# KiCad board DisplayAdapter.kicad_pcb
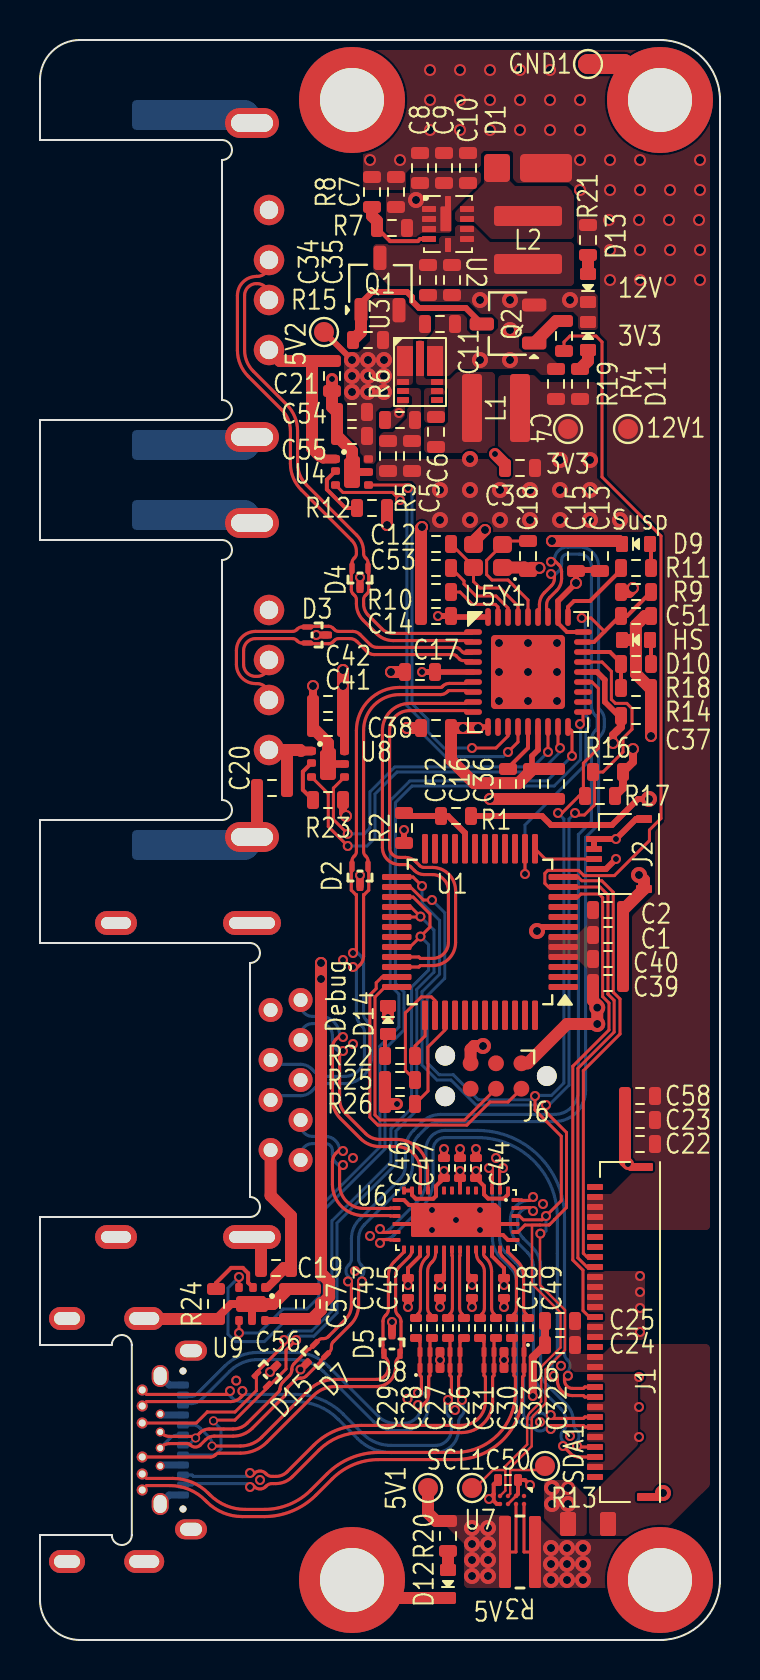
[diagram p0: board, top side]
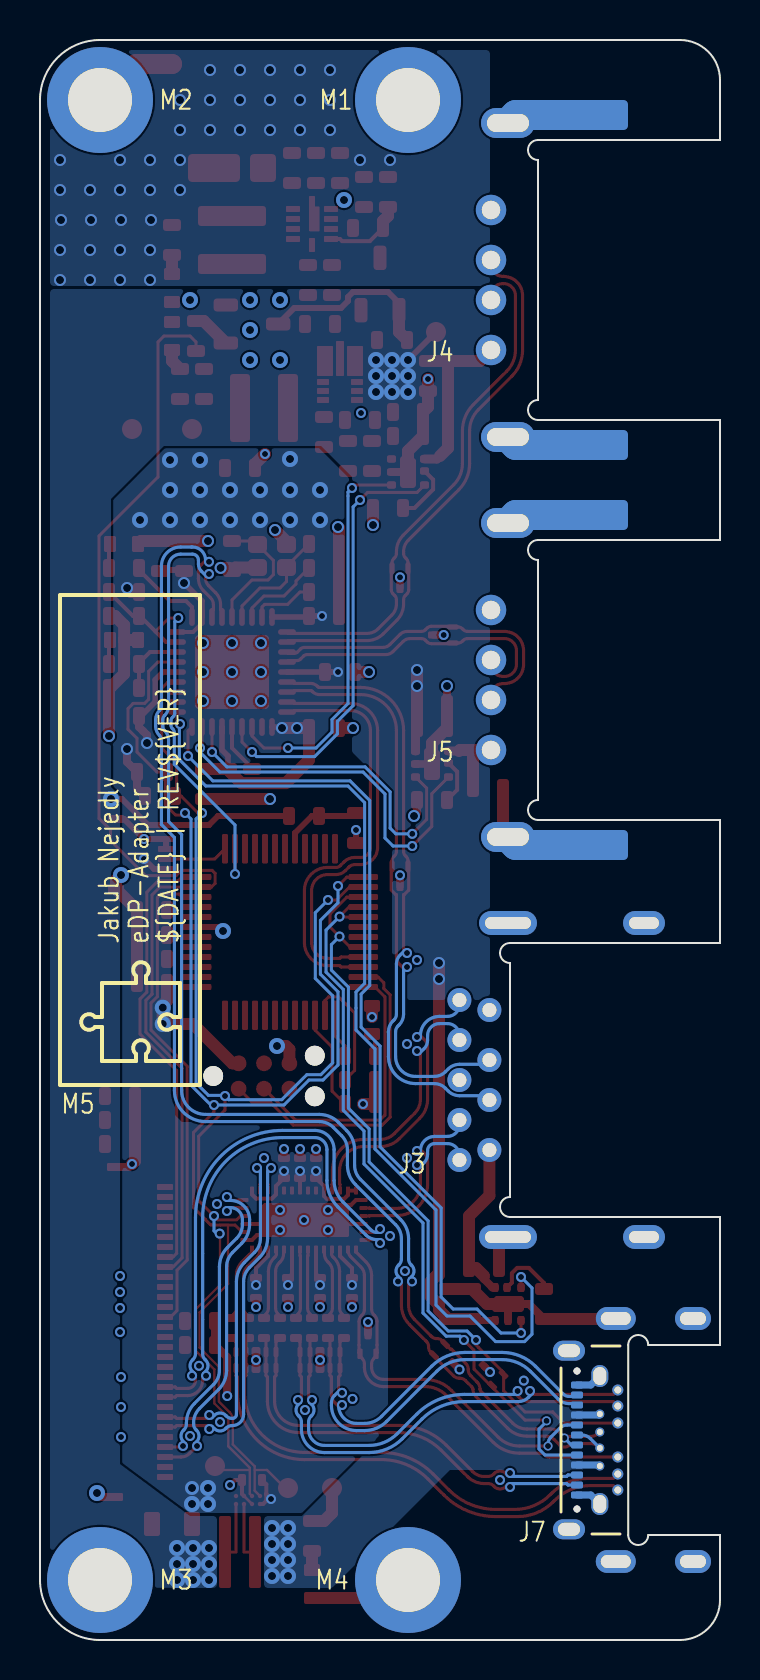
[diagram p1: board, bottom side, seen from below]

Outline 34 x 80 mm; copper layers: Top, In1.Cu, In2.Cu, Bottom. Coordinates in mm from the lower left corner of the outline.
Outline path: 0,77.2 0,78 arc(0.59,79.41) 2,80 31,80 arc(33.12,79.12) 34,77 34,3 arc(33.12,0.88) 31,0 2,0 arc(0.59,0.59) 0,2 0,3.2 ; 0,58.8 0,57.2 ; 0,38.8 0,36.8 ; 0,19.2 0,16.8
Stack: Top 0.035mm / dielectric 0.0994mm FR4 er 4.5 / In1.Cu 0.0152mm / dielectric 0.5mm FR4 er 4.5 / In2.Cu 0.0152mm / dielectric 0.0994mm FR4 er 4.5 / Bottom 0.035mm

## Placement (name value [footprint] x y rotation side)
3V3  TestPoint  [TestPoint_Pad_D1.0mm]  26.4 60.55 0 top
5V1  TestPoint  [TestPoint_Pad_D1.0mm]  19.4 7.6 0 top
5V2  TestPoint  [TestPoint_Pad_D1.0mm]  14.2 65.4 0 top
12V1  TestPoint  [TestPoint_Pad_D1.0mm]  29.4 60.55 0 top
C1  100n  [0603_C]  28.4 35.25 0 top
C2  10u  [0603_C]  28.4 36.5 0 top
C3  22uF  [0603_C]  24 58.6 180 top
C4  22uF  [0603_C]  25.8 62.8 90 top
C5  33pF  [0603_C]  18.6 59.2 270 top
C6  100n  [0603_C]  19.8 60.4 270 top
C7  10u  [0603_C]  17.8 72.4 90 top
C8  10u  [0603_C]  19 73.6 90 top
C9  10u  [0603_C]  20.2 73.6 90 top
C10  10u  [0603_C]  21.4 73.6 90 top
C11  10u  [0603_C]  20 65.8 180 top
C12  18pF  [0603_C]  19.8 54.8 180 top
C13  10u  [0603_C]  28 54.2 270 top
C14  100n  [0603_C]  19.8 51.2 0 top
C15  100n  [0603_C]  26.8 54.2 270 top
C16  100n  [0603_C]  24.6 42.8 90 top
C17  100n  [0603_C]  19 48.4 0 top
C18  18pF  [0603_C]  24.4 54.2 270 top
C19  10u  [0603_C]  11.8 18.6 180 top
C20  10u  [0603_C]  11.6 42.6 180 top
C21  10u  [0603_C]  14.6 63.2 270 top
C22  100n  [0603_C]  30 24.8 0 top
C23  10u  [0603_C]  30 26 0 top
C24  100n  [0603_C]  26 14.75 180 top
C25  10u  [0603_C]  26 15.95 180 top
C26  220n  [0402_C]  21.2 15.6 270 top
C27  220n  [0402_C]  20.4 15.6 270 top
C28  220n  [0402_C]  19.6 15.6 270 top
C29  220n  [0402_C]  18.8 15.6 270 top
C30  220n  [0402_C]  22.8 15.6 270 top
C31  220n  [0402_C]  22 15.6 270 top
C32  220n  [0402_C]  24.4 15.6 270 top
C33  220n  [0402_C]  23.6 15.6 270 top
C34  10u  [0603_C]  19.4 68 90 top
C35  10u  [0603_C]  20.6 68 90 top
C36  10u  [0603_C]  25.8 42.8 90 top
C37  100n  [0603_C]  29.8 46.2 180 top
C38  100n  [0603_C]  19.8 45.6 0 top
C39  100n  [0603_C]  28.4 32.85 0 top
C40  10u  [0603_C]  28.4 34.05 0 top
C41  100n  [0603_C]  14.4 45.6 180 top
C42  10u  [0603_C]  14.4 46.8 180 top
C43  100n  [0402_C]  18.4 17.6 270 top
C44  100n  [0402_C]  21.8 23.6 90 top
C45  100n  [0402_C]  20 17.6 270 top
C46  100n  [0402_C]  20.2 23.6 90 top
C47  100n  [0402_C]  21 23.6 90 top
C48  100n  [0402_C]  21.6 17.6 270 top
C49  100n  [0402_C]  23.2 17.6 270 top
C50  100n  [0402_C]  23.4 8 180 top
C51  100n  [0603_C]  29.8 51.2 0 top
C52  100n  [0603_C]  23.4 42.8 270 top
C53  100n  [0603_C]  19.8 53.6 180 top
C54  10u  [0603_C]  15.6 61.4 180 top
C55  100n  [0603_C]  15.6 60.2 180 top
C56  10u  [0603_C]  12.4 16.8 90 top
C57  100n  [0603_C]  13.6 16.8 90 top
C58  22u  [0603_C]  30 27.2 0 top
D1  -  [SS3020HE]  24.4 73.6 180 top
D2  -  [ESD7L5]  16 38.2 0 top
D3  -  [ESD7L5]  13.85 50.25 90 top
D4  -  [ESD7L5]  16 53.1 0 top
D5  -  [ESD7L5]  17.6 14.8 180 top
D6  -  [ESD7004]  23.2 14 0 top
D7  -  [ESD7L5]  13.67 14.17 315 top
D8  -  [ESD7004]  20 14 180 top
D9  LED  [LTST_Diode]  29.8 54.8 270 top
D10  LED  [LTST_Diode]  29.8 50 270 top
D11  LED  [LTST_Diode]  27.4 65.2 180 top
D12  LED  [LTST_Diode]  20.4 2.8 0 top
D13  LED  [LTST_Diode]  27.4 67.6 0 top
D14  LED  [LTST_Diode]  17.4 31 180 top
D15  -  [ESD7L5]  11.45 13.35 135 top
GND1  TestPoint  [TestPoint_Pad_D1.0mm]  27.4 78.8 0 top
J1  30_Pin_Zif  [FH19SC-30S-0.5SH(09)]  29 15.4 90 top
J2  4_Pin_Zif  [FH19C-4S-0.5SH(10)]  28.95 39.3 90 top
J3  USB3_A  [USBA32_692121230100v2_1.6mmOut]  0 28 90 bottom
J4  USB_A  [USB1015v2_1.6mmOut]  0 68 90 bottom
J5  USB_A  [USB1015v2_1.6mmOut]  0 48 90 bottom
J6  Conn_ARM_SWD_TagConnect_TC2030-NL  [Tag-Connect_TC2030-IDC-NL_2x03_P1.27mm_Vertical]  22.8 28.2 180 top
J7  2129691-2  [2129691-2_2.8mmOut]  0 10 90 bottom
L1  4.7uH  [XGL4018_Inductor]  22.8 61.6 0 top
L2  4.7uH  [XGL4018_Inductor]  24.4 70 90 top
M1  Standoff  [MS04-M2-2]  15.6 77 0 bottom
M2  Standoff  [MS04-M2-2]  31 77 0 bottom
M3  Standoff  [MS04-M2-2]  31 3 0 bottom
M4  Standoff  [MS04-M2-2]  15.6 3 0 bottom
M5  eDP-Adapter  [Logo]  32 34.75 90 bottom
Q1  PMOS  [TSOT-23]  17 67.8 90 top
Q2  NPN  [TSOT-23]  23.4 65.8 180 top
R1  200K  [0603_R]  20.8 41.2 180 top
R2  40K2  [0603_R]  18.2 40.6 270 top
R3  16m  [0612_R_v2]  24 4.4 180 top
R4  30K  [0603_R]  26.2 65.2 90 top
R5  91K  [0603_R]  17.4 59.2 90 top
R6  30K  [0603_R]  18 61 180 top
R7  20K  [0603_R]  17.6 70.6 0 top
R8  180K  [0603_R]  16.6 72.4 90 top
R9  30K  [0603_R]  29.8 52.4 180 top
R10  12K1%  [0603_R]  19.8 52.4 180 top
R11  270  [0603_R]  29.8 53.6 180 top
R12  47K  [0603_R]  16.6 56.6 0 top
R13  0  [0805_R]  27.4 5.8 0 top
R14  30K  [0603_R]  29.8 47.6 180 top
R15  4K7  [0603_R]  16.4 65 180 top
R16  4K7  [0603_R]  28.4 43.4 0 top
R17  4K7  [0603_R]  28 42.2 0 top
R18  270  [0603_R]  29.8 48.8 180 top
R19  270  [0603_R]  27 62.8 270 top
R20  620  [0603_R]  20.4 5.2 90 top
R21  2K  [0603_R]  27.4 70 90 top
R22  270  [0603_R]  18 29.2 0 top
R23  47K  [0603_R]  14.4 42 0 top
R24  27K  [0603_R]  8.8 16.8 270 top
R25  4K7  [0603_R]  18 28 0 top
R26  4K7  [0603_R]  18 26.8 0 top
SCL1  TestPoint  [TestPoint_Pad_D1.0mm]  21.6 7.6 0 top
SDA1  TestPoint  [TestPoint_Pad_D1.0mm]  25.25 8.7 0 top
U1  STM32G0B1CETx  [LQFP-48_7x7mm_P0.5mm]  22 35.4 180 top
U2  -  [MCP1665]  20.4 70.8 0 top
U3  -  [AP63357]  19 63.2 0 top
U4  AP22653  [AP22652-DFN]  15.6 58.4 0 top
U5  USB2514B  [USB2514v2]  24.4 48.4 270 top
U6  -  [TMUXHS4446]  20.8 21 270 top
U7  INA234AxYBJ  [INA234]  23.6 7 270 top
U8  AP22653  [AP22652-DFN]  14.4 43.8 0 top
U9  AP22653  [AP22652-DFN]  10.6 16.8 270 top
Y1  24MHz  [FA-128_OSC]  22.4 54.2 0 top

## Library data of the parts
3V3 5V1 5V2 12V1 GND1 SCL1 SDA1 = -: Description: test point; ki_fp_filters: Pin* Test*
C1-C25 C34-C58 = -: ki_fp_filters: C_*
C26-C33 = -: Description: Unpolarized capacitor; ki_fp_filters: C_*
D1 = -: ki_fp_filters: TO-???* *_Diode_* *SingleDiode* D_*
D9-D14 = -: Description: Light emitting diode; Sim.Pins: 1=K 2=A; ki_fp_filters: LED* LED_SMD:* LED_THT:*
J2 = -: Description: Generic connector, single row, 01x05, script generated; ki_fp_filters: Connector*:*_1x??_*
J4 J5 = -: ki_fp_filters: USB*
J6 = -: Datasheet: https://www.tag-connect.com/wp-content/uploads/bsk-pdf-manager/TC2030-CTX_1.pdf; ki_fp_filters: *TC2030*
L1 L2 = -: ki_fp_filters: Choke_* *Coil* Inductor_* L_*
M1-M4 = -: Description: Generic connector, single row, 01x01, script generated; ki_fp_filters: Connector*:*_1x??_*
Q1 = -: Datasheet: https://ngspice.sourceforge.io/docs/ngspice-html-manual/manual.xhtml#cha_MOSFETs; Description: P-MOSFET transistor, drain/source/gate; Sim.Type: VDMOS; Sim.Pins: 1=D 2=G 3=S
Q2 = -: Datasheet: https://ngspice.sourceforge.io/docs/ngspice-html-manual/manual.xhtml#cha_BJTs; Description: Bipolar transistor symbol for simulation only, substrate tied to the emitter; Sim.Type: GUMMELPOON; Sim.Pins: 1=C 2=B 3=E
R1 R2 R15-R17 R21 = -: Description: Resistor; ki_fp_filters: R_*
R3 = -: Description: REMOVE FOR PROGRAMMING; ki_fp_filters: R_*
R4-R14 R18-R20 R22-R26 = -: ki_fp_filters: R_*
U1 = -: Datasheet: https://www.st.com/resource/en/datasheet/stm32g0b1ce.pdf; ki_fp_filters: LQFP*7x7mm*P0.5mm*
U7 = -: Datasheet: https://www.ti.com/lit/ds/symlink/ina234.pdf; Description: Bidirectional Current/Voltage/Power Monitor (0-28V) With I2C Interface, DSBGA-8; ki_fp_filters: *DSBGA*0.705x1.468mm*P0.4mm*
Y1 = -: Description: Four pin crystal, GND on pins 2 and 4, small symbol; ki_fp_filters: Crystal*

## Footprints (pads in the part's own frame, mm; a bottom-side part is the same pattern mirrored in y, then rotated)
0402_C
  rrect 0.4x0.6 smd: 1(0.5,0) 2(-0.5,0)
0603_C
  rrect 0.6x0.9 smd: 1(-0.75,0) 2(0.75,0)
0603_R
  rrect 0.6x0.9 smd: 1(-0.75,0) 2(0.75,0)
0612_R_v2
  rrect 0.6x3.6 smd: 1(0.75,0) 2(-0.75,0)
0805_R
  rrect 0.8x1.2 smd: 1(-1,0) 2(1,0)
2129691-2_2.8mmOut
  round 0.35 hole 0.65 unplated: (-3.45,7.15) (3.45,7.15)
  rrect 0.35x0.6 smd: A1(-2.75,7.15) A2(-2.25,7.15) A3(-1.75,7.15) A4(-1.25,7.15) A5(-0.75,7.15) A6(-0.25,7.15) A7(0.25,7.15) A8(0.75,7.15) A9(1.25,7.15) A10(1.75,7.15) A11(2.25,7.15) A12(2.75,7.15)
  oval 1.1x0.85 hole 0.9x0.65: B1(3.2,6.01) B12(-3.2,6.01)
  round 0.55 hole 0.35: B2(2.5,5.11) B3(1.7,5.11) B5(0.85,5.11) B8(-0.85,5.11) B10(-1.7,5.11) B11(-2.5,5.11)
  round 0.45 hole 0.3: B4(1.3,6.01) B6(0.4,6.01) B7(-0.4,6.01) B9(-1.3,6.01)
  oval 1.15x1.8 hole 0.65x1.3: S(-6.075,1.35) S(6.075,1.35)
  oval 1.14x2 hole 0.65x1.5: S(-6.075,5.21)
  oval 1x1.6 hole 0.65x1.1: S(-4.465,7.55) S(4.465,7.55)
  oval 1.15x2 hole 0.65x1.5: S(6.075,5.21)
AP22652-DFN
  rrect 0.45x0.38 smd: 1(0.825,0.65) 2(0.825,0) 3(0.825,-0.65) 4(-0.825,-0.65) 5(-0.825,0.05) 6(-0.825,0.65)
  rrect 0.8x1.6 smd: S(0,0)
AP63357
  rrect 0.8x1.5 smd: 1(-0.75,0.75) 8(0.75,0.75)
  rrect 0.6x0.3 smd: 2(-0.85,-0.3) 3(-0.85,-0.75) 4(-0.85,-1.2) 5(0.85,-1.2) 6(0.85,-0.75) 7(0.85,-0.3)
  rrect 0.4x1.75 smd: 9(0,0.875)
ESD7L5
  rrect 0.27x0.52 smd: 1(0.4,0.49) 2(-0.4,0.49)
  rrect 0.36x0.52 smd: 3(0,-0.49)
ESD7004
  rrect 0.25x0.5 smd: 1(1,0.4) 2(0.5,0.4) 4(-0.5,0.4) 5(-1,0.4) 6(-1,-0.4) 7(-0.5,-0.4) 9(0.5,-0.4) 10(1,-0.4)
  rrect 0.45x0.5 smd: 3(0,0.4) 8(0,-0.4)
FA-128_OSC
  rrect 0.95x0.85 smd: 1(-0.725,-0.575) 2(-0.725,0.575) 3(0.725,0.575) 4(0.725,-0.575)
FH19C-4S-0.5SH(10)
  rrect 0.3x0.8 smd: 1(-0.75,1.25) 2(-0.25,1.25) 3(0.25,1.25) 4(0.75,1.25)
  rrect 0.4x0.8 smd: 5(-1.75,-1.25) 5(1.75,-1.25)
FH19SC-30S-0.5SH(09)
  rrect 0.3x0.8 smd: 1(-7.25,1.25) 2(-6.75,1.25) 3(-6.25,1.25) 4(-5.75,1.25) 5(-5.25,1.25) 6(-4.75,1.25) 7(-4.25,1.25) 8(-3.75,1.25) 9(-3.25,1.25) 10(-2.75,1.25) 11(-2.25,1.25) 12(-1.75,1.25) 13(-1.25,1.25) 14(-0.75,1.25) 15(-0.25,1.25) 16(0.25,1.25) 17(0.75,1.25) 18(1.25,1.25) 19(1.75,1.25) 20(2.25,1.25) 21(2.75,1.25) 22(3.25,1.25) 23(3.75,1.25) 24(4.25,1.25) 25(4.75,1.25) 26(5.25,1.25) 27(5.75,1.25) 28(6.25,1.25) 29(6.75,1.25) 30(7.25,1.25)
  rrect 0.4x0.8 smd: S(-8.25,-1.25) S(8.25,-1.25)
INA234
  round 0.22 smd: A1(-0.2,0.6) A2(0.2,0.6) B1(-0.2,0.2) B2(0.2,0.2) C1(-0.2,-0.2) C2(0.2,-0.2) D1(-0.2,-0.6) D2(0.2,-0.6)
LQFP-48_7x7mm_P0.5mm
  rrect 1.475x0.3 smd: 1(-4.162,2.75) 2(-4.162,2.25) 3(-4.162,1.75) 4(-4.162,1.25) 5(-4.162,0.75) 6(-4.162,0.25) 7(-4.162,-0.25) 8(-4.162,-0.75) 9(-4.162,-1.25) 10(-4.162,-1.75) 11(-4.162,-2.25) 12(-4.162,-2.75) 25(4.162,-2.75) 26(4.162,-2.25) 27(4.162,-1.75) 28(4.162,-1.25) 29(4.162,-0.75) 30(4.162,-0.25) 31(4.162,0.25) 32(4.162,0.75) 33(4.162,1.25) 34(4.162,1.75) 35(4.162,2.25) 36(4.162,2.75)
  rrect 0.3x1.475 smd: 13(-2.75,-4.162) 14(-2.25,-4.162) 15(-1.75,-4.162) 16(-1.25,-4.162) 17(-0.75,-4.162) 18(-0.25,-4.162) 19(0.25,-4.162) 20(0.75,-4.162) 21(1.25,-4.162) 22(1.75,-4.162) 23(2.25,-4.162) 24(2.75,-4.162) 37(2.75,4.162) 38(2.25,4.162) 39(1.75,4.162) 40(1.25,4.162) 41(0.75,4.162) 42(0.25,4.162) 43(-0.25,4.162) 44(-0.75,4.162) 45(-1.25,4.162) 46(-1.75,4.162) 47(-2.25,4.162) 48(-2.75,4.162)
LTST_Diode
  rrect 0.8x0.6 smd: 1(0,-0.7) 2(0,0.7)
MCP1665
  rrect 0.53x1.25 smd: 0(-0.115,0.255)
  rrect 0.7x0.3 smd: 1(-0.95,0.75) 2(-0.95,0.25) 3(-0.95,-0.25) 4(-0.95,-0.75) 6(0.95,-0.75) 7(0.95,-0.25) 8(0.95,0.25) 9(0.95,0.75)
  rrect 0.3x0.7 smd: 5(0,-1.05) 10(0,1.05)
MS04-M2-2
  round 5.3 hole 3.2: 1(0,0)
SS3020HE
  rrect 2.6x1.4 smd: 1(-0.9,0)
  rrect 1.3x1.4 smd: 2(1.55,0)
Tag-Connect_TC2030-IDC-NL_2x03_P1.27mm_Vertical
  round 0.991 hole 0.991 unplated: (-2.54,0) (2.54,1.016) (2.54,-1.016)
  round 0.787 smd: 1(-1.27,-0.635) 2(-1.27,0.635) 3(0,-0.635) 4(0,0.635) 5(1.27,-0.635) 6(1.27,0.635)
TestPoint_Pad_D1.0mm
  round 1 smd: 1(0,0)
TMUXHS4446
  rrect 0.4x0.2 smd: 1(-1.475,2.6) 2(-1.475,2.2) 3(-1.475,1.8) 4(-1.475,1.4) 5(-1.475,1) 6(-1.475,0.6) 7(-1.475,0.2) 8(-1.475,-0.2) 9(-1.475,-0.6) 10(-1.475,-1) 11(-1.475,-1.4) 12(-1.475,-1.8) 13(-1.475,-2.2) 14(-1.475,-2.6) 21(1.475,-2.6) 22(1.475,-2.2) 23(1.475,-1.8) 24(1.475,-1.4) 25(1.475,-1) 26(1.475,-0.6) 27(1.475,-0.2) 28(1.475,0.2) 29(1.475,0.6) 30(1.475,1) 31(1.475,1.4) 32(1.475,1.8) 33(1.475,2.2) 34(1.475,2.6)
  rrect 0.2x0.4 smd: 15(-1,-2.975) 16(-0.6,-2.975) 17(-0.2,-2.975) 18(0.2,-2.975) 19(0.6,-2.975) 20(1,-2.975) 35(1,2.975) 36(0.6,2.975) 37(0.2,2.975) 38(-0.2,2.975) 39(-0.6,2.975) 40(-1,2.975)
  rrect 1.7x4.5 smd: 41(0,0)
TSOT-23
  rrect 1.22x0.65 smd: 1(-1.31,0.95) 2(-1.31,-0.95) 3(1.31,0)
USB1015v2_1.6mmOut
  round 1.52 hole 0.92: 1(-3.5,11.45) 2(-1,11.45) 3(1,11.45) 4(3.5,11.45)
  rrect 1.5x2.5 smd: 5(-8.25,5.85) 5(8.25,5.85)
  rrect 1.5x2.7 hole 0.9x2.1: 5(-7.85,10.6) 5(7.85,10.6)
USB2514v2
  rrect 0.28x0.9 smd: 1(-2,-2.75) 2(-1.5,-2.75) 3(-1,-2.75) 4(-0.5,-2.75) 5(0,-2.75) 6(0.5,-2.75) 7(1,-2.75) 8(1.5,-2.75) 9(2,-2.75) 19(2,2.75) 20(1.5,2.75) 21(1,2.75) 22(0.5,2.75) 23(0,2.75) 24(-0.5,2.75) 25(-1,2.75) 26(-1.5,2.75) 27(-2,2.75)
  rrect 0.9x0.28 smd: 10(2.75,-2) 11(2.75,-1.5) 12(2.75,-1) 13(2.75,-0.5) 14(2.75,0) 15(2.75,0.5) 16(2.75,1) 17(2.75,1.5) 18(2.75,2) 28(-2.75,2) 29(-2.75,1.5) 30(-2.75,1) 31(-2.75,0.5) 32(-2.75,0) 33(-2.75,-0.5) 34(-2.75,-1) 35(-2.75,-1.5) 36(-2.75,-2)
  rrect 3.7x3.7 smd: S(0,0)
USBA32_692121230100v2_1.6mmOut
  round 1.2 hole 0.7: 1(-3.5,11.53) 2(-1,11.53) 3(1,11.53) 4(3.5,11.53) 5(4,13.03) 6(2,13.03) 7(0,13.03) 8(-2,13.03) 9(-4,13.03)
  rrect 1.2x2.1 hole 0.6x1.5: 10(-7.85,3.8) 10(7.85,3.8)
  rrect 1.2x2.9 hole 0.6x2.3: 10(-7.85,10.6) 10(7.85,10.6)
XGL4018_Inductor
  rrect 1x3.4 smd: 1(-1.2,0) 2(1.2,0)

## Nets
/CONTROL/3V3: 3V3.1 C1.1 C2.1 C3.1 C4.1 C5.2 C13.2 C14.2 C15.2 C16.2 C17.2 C36.2 C37.2 C38.2 C39.1 C40.1 C43.2 C44.2 C45.2 C46.2 C47.2 C48.2 C49.2 C50.1 J2.1 J6.1 L1.2 R5.1 R9.2 R13.1 R16.2 R17.2 R19.2 U1.4 U1.5 U1.6 U5.5 U5.10 U5.15 U5.23 U5.27 U5.29 U5.36 U6.1 U6.4 U6.7 U6.10 U6.13 U6.14 U6.23 U6.26 U6.29 U6.32 U7.D2
/PWR_GEN/5V: 5V2.1 C11.2 C41.1 C42.1 C54.1 C55.1 C56.1 C57.1 Q1.2 R1.1 R3.2 R15.1 U3.1 U3.2 U4.1 U7.A2 U8.1 U9.1
/PWR_GEN/5V_R: 5V1.1 J7.A4 J7.A9 J7.B4 J7.B9 R3.1 R20.2 U7.B2
/PWR_GEN/12V: 12V1.1 C7.2 C8.2 C9.2 C10.2 C22.2 C23.2 C58.2 D1.1 J1.26 J1.27 J1.28 J1.29 R8.2 R21.2
GND: C1.2 C2.2 C3.2 C4.2 C7.1 C8.1 C9.1 C10.1 C11.1 C12.2 C13.1 C14.1 C15.1 C16.1 C17.1 C18.2 C19.2 C20.2 C21.2 C22.1 C23.1 C24.2 C25.2 C34.1 C35.1 C36.1 C37.1 C38.1 C39.2 C40.2 C41.2 C42.2 C43.1 C44.1 C45.1 C46.1 C47.1 C48.1 C49.1 C50.2 C51.2 C52.2 C53.2 C54.2 C55.2 C56.2 C57.2 C58.1 D2.3 D3.3 D4.3 D5.3 D6.3 D6.8 D7.3 D8.3 D8.8 D9.1 D10.1 D11.1 D12.1 D13.1 D14.1 D15.3 GND1.1 J1.2 J1.5 J1.8 J1.11 J1.15 J1.16 J1.18 J1.19 J1.20 J1.21 J1.S J2.3 J2.4 J2.5 J3.4 J3.7 J3.10 J4.4 J4.5 J5.4 J5.5 J6.5 J7.A1 J7.A12 J7.B1 J7.B12 J7.S M1.1 M2.1 M3.1 M4.1 Q2.2 R2.2 R6.2 R7.2 R10.2 R12.2 R14.1 R23.2 R24.2 R25.1 R26.1 U1.7 U2.0 U2.1 U2.2 U2.3 U2.10 U3.4 U3.8 U4.2 U4.S U5.S U6.15 U6.18 U6.35 U6.37 U6.41 U7.B1 U7.C2 U8.2 U8.S U9.2 U9.S Y1.2 Y1.4
/CONTROL/BL_ENABLE: J1.22 R4.1 U1.11
/CONTROL/BL_SENSE: J2.2 U1.13
/CONTROL/HP_Det: J1.17 U1.10
/CONTROL/I2C.SCL: R16.1 SCL1.1 U1.25 U5.24 U6.36 U7.D1
/CONTROL/I2C.SDA: R17.1 SDA1.1 U1.26 U5.22 U6.38 U7.C1
/CONTROL/PWM_Brightness: J1.23 U1.12
/CONTROL/SWCLK: J6.4 U1.36
/CONTROL/SWDIO: J6.2 U1.35
/CONTROL/USB_CC._{1}: D15.2 J7.A5 U1.28 U1.29
/CONTROL/USB_CC._{2}: D15.1 J7.B5 U1.27 U1.32
/CONTROL/USB_OUT.0+: D4.2 J4.3 U5.2
/CONTROL/USB_OUT.0-: D4.1 J4.2 U5.1
/CONTROL/USB_OUT.1+: D3.2 J5.3 U5.4
/CONTROL/USB_OUT.1-: D3.1 J5.2 U5.3
/CONTROL/USB_OUT.2+: D2.1 J3.3 U5.7
/CONTROL/USB_OUT.2-: D2.2 J3.2 U5.6
/CONTROL/USB_OUT.3+: U1.34 U5.9
/CONTROL/USB_OUT.3-: U1.33 U5.8
/CONTROL/USB_RST: C51.1 R9.1 U1.14 U5.26
/CONTROL/V_SENSE: R1.2 R2.1 U1.20
/eDP_CONN/LCD_3V3: C24.1 C25.1 J1.12 J1.13 R13.2
/PWR_GEN/BOOST_FB: R7.1 R8.1 U2.4
/PWR_GEN/BOOST_IN: C34.2 C35.2 L2.1 Q1.3 U2.5 U2.6 U2.7
/PWR_GEN/BOOST_OUT: D1.2 L2.2 U2.8 U2.9
/PWR_GEN/BUCK_FB: C5.1 R5.2 R6.1 U3.3
/PWR_GEN/BUCK_OUT: C6.2 L1.1 U3.7 U3.9
/USB_CONN/USB_FAULT.EN1: U4.3 U5.12
/USB_CONN/USB_FAULT.EN2: U5.16 U8.3
/USB_CONN/USB_FAULT.EN3: U5.18 U9.3
/USB_CONN/USB_FAULT.FAULT1: U4.4 U5.13
/USB_CONN/USB_FAULT.FAULT2: U5.17 U8.4
/USB_CONN/USB_FAULT.FAULT3: U5.19 U9.4
/USBC_INPUT/DP.0+: J1.4 U6.39
/USBC_INPUT/DP.0-: J1.3 U6.40
/USBC_INPUT/DP.1+: J1.7 U6.2
/USBC_INPUT/DP.1-: J1.6 U6.3
/USBC_INPUT/DP.2+: U6.5
/USBC_INPUT/DP.2-: U6.6
/USBC_INPUT/DP.3+: U6.8
/USBC_INPUT/DP.3-: U6.9
/USBC_INPUT/DP.AUX+: J1.10 U6.19
/USBC_INPUT/DP.AUX-: J1.9 U6.20
/USBC_INPUT/SS_USB.RX+: J3.9 U6.16
/USBC_INPUT/SS_USB.RX-: J3.8 U6.17
/USBC_INPUT/SS_USB.TX+: J3.6 U6.11
/USBC_INPUT/SS_USB.TX-: J3.5 U6.12
/USBC_INPUT/U1+: C26.2 U6.28
/USBC_INPUT/U1-: C27.2 U6.27
/USBC_INPUT/U2+: C28.2 U6.25
/USBC_INPUT/U2-: C29.2 U6.24
/USBC_INPUT/U3+: C30.2 U6.31
/USBC_INPUT/U3-: C31.2 U6.30
/USBC_INPUT/U4+: C32.2 U6.34
/USBC_INPUT/U4-: C33.2 U6.33
/USBC_INPUT/U5+: D5.1 J7.A8 U6.21
/USBC_INPUT/U5-: D5.2 J7.B8 U6.22
/USBC_INPUT/U6+: C30.1 D6.4 D6.7 J7.A2
/USBC_INPUT/U6-: C31.1 D6.5 D6.6 J7.A3
/USBC_INPUT/U7+: C32.1 D6.1 D6.10 J7.B11
/USBC_INPUT/U7-: C33.1 D6.2 D6.9 J7.B10
/USBC_INPUT/U8+: C26.1 D8.5 D8.6 J7.B2
/USBC_INPUT/U8-: C27.1 D8.4 D8.7 J7.B3
/USBC_INPUT/U9+: C28.1 D8.2 D8.9 J7.A11
/USBC_INPUT/U9-: C29.1 D8.1 D8.10 J7.A10
/USBC_INPUT/USB_IN.+: D7.2 J7.A6 J7.B6 U5.31
/USBC_INPUT/USB_IN.-: D7.1 J7.A7 J7.B7 U5.30
Net-(D9-A): D9.2 R11.1
Net-(D10-A): D10.2 R18.1
Net-(D11-A): D11.2 R19.1
Net-(D12-A): D12.2 R20.1
Net-(D13-A): D13.2 R21.1
Net-(D14-A): D14.2 R22.1
Net-(J3-VBUS): C19.1 J3.1 U9.6
Net-(J4-VBUS): C21.1 J4.1 U4.6
Net-(J5-VBUS): C20.1 J5.1 U8.6
Net-(Q1-G): Q1.1 Q2.3 R15.2
Net-(Q2-B): Q2.1 R4.2
Net-(U1-PA15): R22.2 U1.37
Net-(U1-PD0): R25.2 U1.38
Net-(U1-PD1): R26.2 U1.39
Net-(U3-BST): C6.1 U3.6
Net-(U4-ILIM): R12.1 U4.5
Net-(U5-CR_FLIT): C52.1 U5.14
Net-(U5-HS_IND/CFG_1): R14.2 R18.2 U5.25
Net-(U5-PLL_FILT): C53.1 U5.34
Net-(U5-RBIAS): R10.1 U5.35
Net-(U5-SUSP_IND/LOC_PWR/REM_0): R11.2 U5.28
Net-(U5-XTALIN): C12.1 U5.33 Y1.1
Net-(U5-XTALOUT): C18.1 U5.32 Y1.3
Net-(U8-ILIM): R23.1 U8.5
Net-(U9-ILIM): R24.1 U9.5

Pads without a net: J1 1 14 24 25 30; J6 3 6; U1 1 2 3 8 9 15 16 17 18 19 21 22 23 24 30 31 40 41 42 43 44 45 46 47 48; U3 5; U5 11 20 21; U7 A1

## Via types
v1: diameter 0.5, hole 0.3, Top to Bottom, 118 vias
v2: diameter 0.8, hole 0.4, Top to Bottom, 59 vias
v3: diameter 0.6, hole 0.4, Top to Bottom, 70 vias
v4: diameter 0.7, hole 0.4, Top to Bottom, 1 via
v5: diameter 0.45, hole 0.3, Top to Bottom, 3 vias

## Routing (per net, layer and track width the routed paths; a pad name or vN(x,y) marks a point on that pad's centre or on a via; arc(x,y) is an arc through that point)
/CONTROL/3V3: length 56.1
  Top w0.2: U5.27 26.35,50.4 25.9,50.85 U5.29 ; U7.D2 22.84,6.8 22.68,6.96 22.68,7.3 ; C16.2 24.63,43.52 ; 20.02,22.92 C46.2 19.8,22.7 U6.10 19.8,22.2 19.66,22.06 18.79,22.06 18.6,22.25 U6.13 U6.14 ; U6.1 23.4,22.28 23.2,22.07 22.41,22.07 22.2,22.28 U6.4 22.2,22.7 C44.2 ; 25.77,43.52 C36.2 ; U6.29 21.4,18.3 C48.2 ; 22.68,7.3 22.68,7.28 v1(22.45,7.05) ; 22.68,7.3 22.68,7.78 C50.1 ; C43.2 18.4,18.6 19,19.2 U6.23 ; C47.2 U6.7 ; U6.32 22.6,19.2 23.2,18.6 C49.2 ; C45.2 20.2,18.3 U6.26
  Top w0.28: U5.15 24.9,44.5 24.6,44.2 C16.2 ; U5.29 25.9,51.95 v3(26.8,52.85) C15.2 ; U5.5 C17.2 ; U5.23 27.85,48.4 28.24,48.01 28.24,46.91 28.95,46.2 C37.2 ; U5.10 21.95,45.65 v3(21.9,45.6) ; U5.36 20.6,51.15
  Top w0.3: 20.6,51.15 C14.2 v1(19.9,51.2) ; v1(28.8,39.05) 28.3,38.55 J2.1 ; C17.2 v1(19.1,48.4) ; C13.2 27.95,53.5 26.85,53.5 C15.2
  Top w0.4: C37.2 29.05,45.65 28.65,45.25 v3(28.65,44.85) ; C45.2 v1(20,17.75) ; C44.2 v1(21.8,23.45) ; R17.2 29.15,42.6 R16.2 29.65,43.9 v3(29.65,44.55) ; C43.2 v1(18.4,17.75) ; C49.2 v1(23.2,17.75) ; C47.2 v1(21,23.45) ; C46.2 v1(20.2,23.45) ; C48.2 v1(21.6,17.75)
  Top w0.6: C39.1 27.65,31.97 27.86,31.76 v2(27.86,31.62) ; C36.2 C16.2 24.6,43.51 23.93,42.84 21.71,42.84 20.55,44 C38.2 v3(21.9,45.6) ; R9.2 29.44,52.4 v3(29.64,52.6) ; v2(27.86,31.62) v2(27.86,30.8) 26.35,30.8 24.39,28.83 J6.1 24.08,28.83 ; v2(27.86,31.62) 27.83,31.62
  vias: v2(20,57.5) v2(20,56) v2(21.5,59.05) v2(21.5,57.5) v2(21.5,56) v2(23,57.5) v2(23,56) v2(24.5,57.5) v2(24.5,56) v2(25.6,7.6) v2(25.6,6.8) v2(26,59) v2(26,57.5) v2(26,56) v2(26.4,6.8) v2(27.5,59) v2(27.5,57.5) v2(27.5,56) v2(29,56) v3(21.15,45.6) v4(26.4,7.6)
/PWR_GEN/5V: length 39.4
  Top w0.15: U7.A2 24.2,4.4 R3.2
  Top w0.3: v2(30.45,42.05) 29.9,42.05 28.6,40.75 25.55,40.75 25.1,41.2 R1.1 ; 5V2.1 v2(15.6,64)
  Top w0.35: U9.1 12.33,15.97 C56.1
  Top w0.45: U8.1 15.23,45.53 C41.1
  Top w0.6: v3(15.15,48.5) v3(15.15,47.7) C42.1 C41.1 ; C56.1 C57.1 14.05,16.5 14.05,16.84 14.13,16.84 14.46,17.17 14.46,17.93 14.13,18.26 14.05,18.26 v3(14.05,33.05) v3(14.05,33.85)
  vias: v2(15.6,63.2) v2(15.6,62.4) v2(16.4,64) v2(16.4,63.2) v2(16.4,62.4) v2(17.2,64) v2(17.2,63.2) v2(17.2,62.4) v2(25.55,4.6) v2(25.55,3.8) v2(25.55,3) v2(26.35,4.6) v2(26.35,3.8) v2(26.35,3) v2(27.15,4.6) v2(27.15,3.8) v2(27.15,3)
/PWR_GEN/5V_R: length 7.7
  Top w0.15: U7.B2 23.8,4.4 R3.1
  Top w0.6: 5V1.1 19.4,6.35 19.8,5.95 R20.2
  Bottom w0.25: J7.B9 6.06,8.75
  Bottom w0.35: J7.B4 6.06,11.25 J7.A9 ; 6.06,8.75 J7.A4
  vias: v2(21.6,5.6) v2(21.6,4.8) v2(21.6,4) v2(21.6,3.2) v2(22.4,5.6) v2(22.4,4.8) v2(22.4,4) v2(22.4,3.2)
/PWR_GEN/12V:
  vias: v3(16.5,74) v3(18,74) v3(19.5,78.5) v3(19.5,77) v3(19.5,75.5) v3(21,78.5) v3(21,77) v3(21,75.5) v3(22.5,78.5) v3(22.5,77) v3(22.5,75.5) v3(24,78.5) v3(24,77) v3(24,75.5) v3(25.5,78.5) v3(25.5,77) v3(25.5,75.5) v3(27,77) v3(27,75.5) v3(27,74) v3(27,72.5) v3(28.5,74) v3(28.5,72.5) v3(28.45,71) v3(28.5,69.5) v3(28.5,68) v3(30,74) v3(30,72.5) v3(29.95,71) v3(30,69.5) v3(30,68) v3(31.5,72.5) v3(31.45,71) v3(31.5,69.5) v3(31.5,68) v3(33,74) v3(33,72.5) v3(32.95,71) v3(33,69.5) v3(33,68)
GND: length 130.2
  Top w0.135: U7.C2 U7.B1
  Top w0.2: U7.B1 23.9,7.3 C50.2 24.25,8 v1(24.5,7.75) ; v1(19.6,21.5) 19.35,21.75 18.45,21.75 18.2,22 U6.15 ; U6.37 21,20.8 v1(20.8,21) 20.6,20.8 U6.18 ; U6.35 23.4,20 23.15,20.25 22.25,20.25 v1(22,20.5) ; D7.3 v1(13.02,13.53)
  Top w0.3: J2.5 29.8,41.05 v1(28.8,40.05) J2.4 J2.3 ; v2(24.85,35.45) 25.05,35.65 U1.7 ; R2.2 v1(18.2,40.5)
  Top w0.35: D15.3 v1(11.5,13.4)
  Top w0.36: D4.3 v1(16,53.14) ; D3.3 v1(13.81,50.25)
  Top w0.38: D2.3 v1(16,38.24) ; U8.2 U8.S
  Top w0.4: v2(31.15,7.35) 31.15,7.15 J1.S ; C42.2 v3(13.65,47.7) ; D5.3 v1(17.6,15.9) ; v1(24.64,12.2) 24.64,14.14 C24.2 C25.2 ; R24.2 9.55,16.8 U9.S U9.2 ; D14.1 17.5,31.7 ; R23.2 15.15,41.35 v3(15.3,41.2) ; C43.1 v1(18.4,16.65) ; v1(29.4,23.8) 29.55,23.65 J1.S ; D8.3 v1(20,14) D8.8 ; C45.1 v1(20,16.65) ; D6.8 v1(23.2,14) D6.3 ; C47.1 v1(21,24.55) ; C44.1 v1(21.8,24.55) ; C49.1 v1(23.2,16.65) ; 16.42,58.4 U4.S ; C46.1 v1(20.2,24.55) ; C48.1 v1(21.6,16.65)